# Altium PCB wifi-module.PcbDoc (part 2 of 2) (continued)
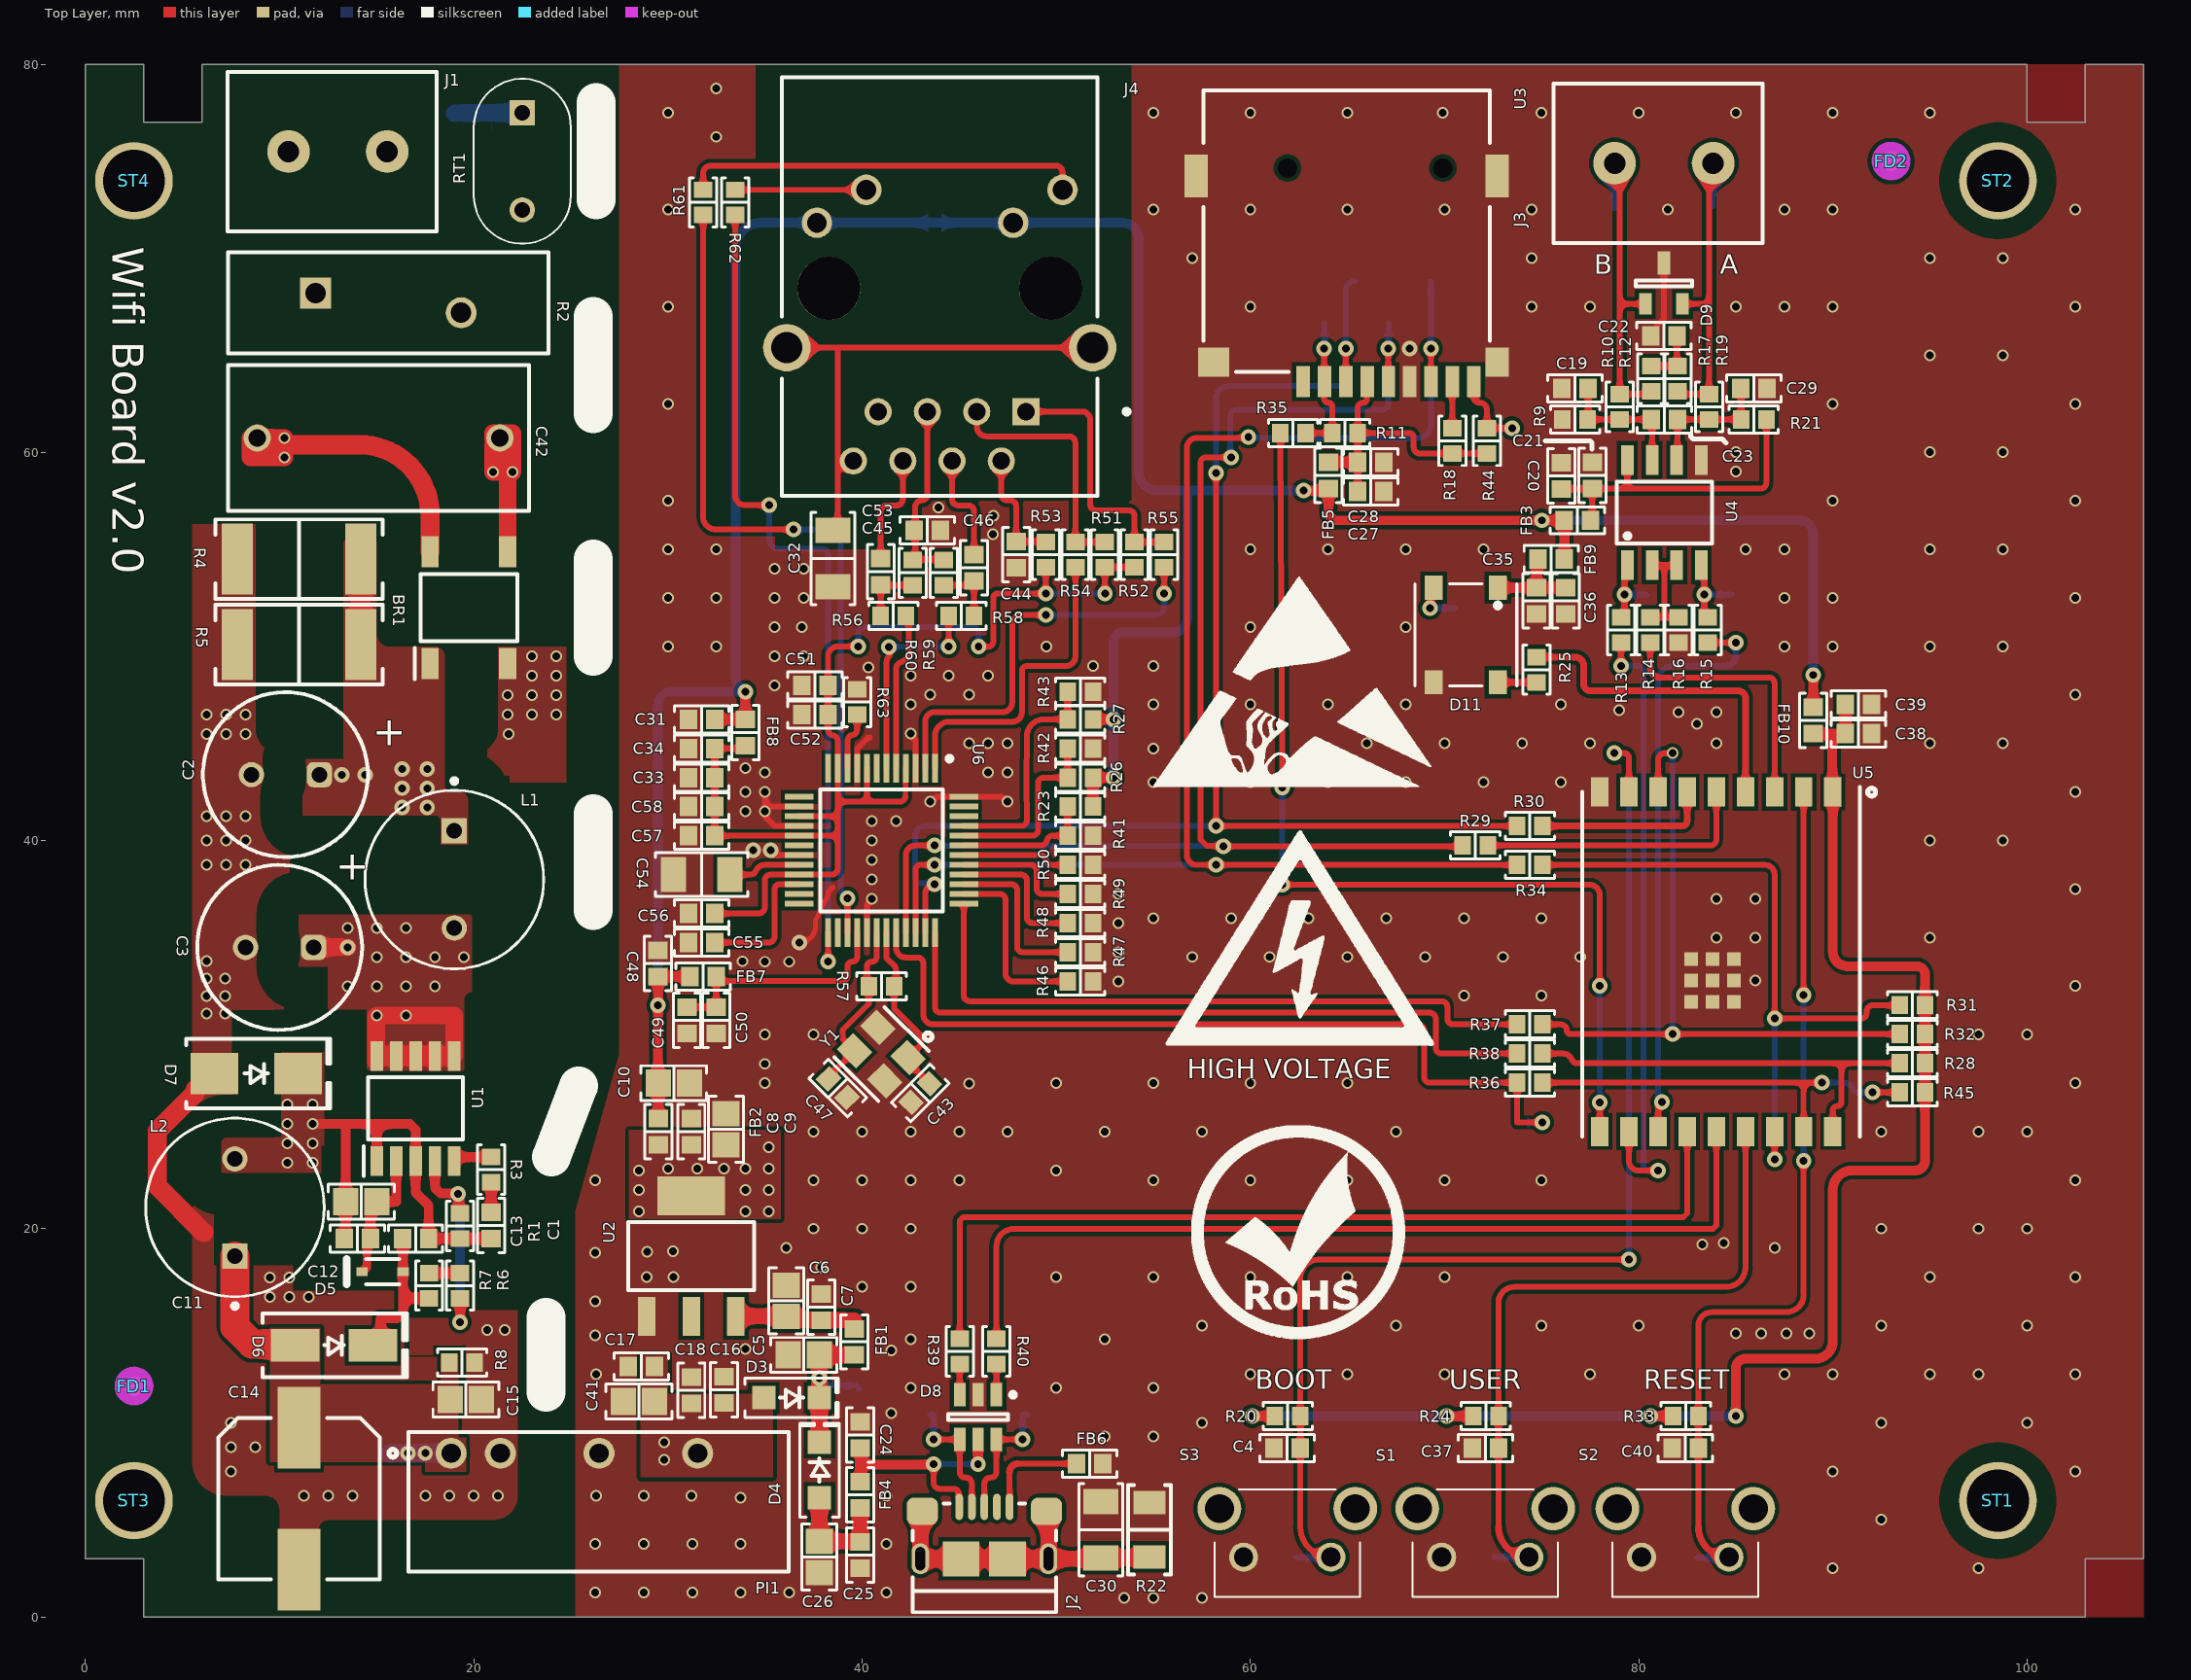
[diagram p0: Top Layer view]
## Nets (pads, with @x,y where several pads share a name; then routed paths per layer and width w, separated by ;. In a path a pad name is that pad's centre, name@x,y a point inside that pad or via, vN(x,y) a via of type N, cw(c..) or ccw(c..) an arc to the next point about the centre after c; other vN are vias at no path point) (continued)
  Top Layer w0.3: R62.2@33.465,72.23 33.465,57.78 ccw(c33.965,57.78) 33.965,57.28 v2(35.215,57.28) ; v2(38.25,33.78) U6.25@38.25,35.262
  Bottom Layer w0.3: v2(35.215,57.28) 35.215,55.53 ccw(c35.715,55.53) 35.715,55.03 37.97,55.03 cw(c37.97,54.75) 38.25,54.75 v2(38.25,33.78)
ETH_PMODE0: R27.1 R43.2 U6.45 | length 11.8
  Top Layer w0.3: U6.45@45.238,40.75 48.188,40.75 ccw(c48.188,41.05) 48.488,41.054 48.464,42.942 cw(c49.364,42.95) 48.464,42.959 48.492,45.446 cw(c48.792,45.443) 48.494,45.477 48.494,45.478 cw(c49.36,45.378) 49.36,46.25 R27.1@50.588,46.25 R43.2@50.588,47.665
ETH_PMODE1: R26.1 R42.2 U6.44 | length 9.6
  Top Layer w0.3: U6.44@45.238,40.25 48.764,40.25 ccw(c48.764,40.55) 49.064,40.55 49.064,42.95 cw(c49.364,42.95) 49.364,43.25 R26.1@50.588,43.25 R42.2@50.588,44.75
ETH_PMODE2: R23.1 R41.2 U6.43 | length 7.1
  Top Layer w0.3: U6.43@45.238,39.75 49.216,39.75 ccw(c49.216,40.05) 49.5,39.953 49.532,40.047 cw(c49.816,39.95) 49.816,40.25 R41.2@50.588,40.25 R23.1@50.588,41.75
ETH_RSVD2: R46.1 U6.38 | length 9.5
  Top Layer w0.3: U6.38@45.238,37.25 47.088,37.25 cw(c47.088,36.95) 47.388,36.95 47.388,33.15 ccw(c47.788,33.15) 47.788,32.75 R46.1@50.588,32.75
ETH_RSVD3: R47.1 U6.39 | length 8.6
  Top Layer w0.3: U6.39@45.238,37.75 47.688,37.75 cw(c47.688,37.45) 47.988,37.45 47.988,34.55 ccw(c48.288,34.55) 48.288,34.25 R47.1@50.588,34.25
ETH_RSVD4: R48.1 U6.40 | length 7.6
  Top Layer w0.3: U6.40@45.238,38.25 48.188,38.25 cw(c48.188,37.95) 48.488,37.95 48.488,36.05 ccw(c48.788,36.05) 48.788,35.75 R48.1@50.588,35.75
ETH_RSVD5: R49.1 U6.41 | length 6.6
  Top Layer w0.3: U6.41@45.238,38.75 48.688,38.75 cw(c48.688,38.45) 48.988,38.45 48.988,37.55 ccw(c49.288,37.55) 49.288,37.25 R49.1@50.588,37.25
ETH_RSVD6: R50.1 U6.42 | length 5.6
  Top Layer w0.3: U6.42@45.238,39.25 49.188,39.25 cw(c49.188,38.95) 49.473,39.044 49.502,38.956 ccw(c49.787,39.05) 49.786,38.75 R50.1@50.588,38.75
ETH_RXN: R56.1 U6.5 | length 8.2
  Top Layer w0.3: U6.5@41.75,43.738 41.75,48.85 cw(c42.11,48.85) 41.996,49.191 41.998,49.192 ccw(c41.781,49.843) 42.339,49.444 ; R56.1@42.265,51.588 42.405,51.263 42.405,49.651 42.389,49.565 cw(c42.094,49.617) 42.34,49.445
ETH_RXN_2: C45.1 R56.2 R60.2 | length 3.3
  Top Layer w0.3: R56.2@40.965,51.588 C45.1@40.965,53.188 41.003,53.15 R60.2@42.6,53.15
ETH_RXP: R58.1 U6.6 | length 11.3
  Top Layer w0.3: U6.6@41.25,43.738 41.25,44.325 41.25,49.023 41.25,49.136 cw(c41.81,49.138) 41.382,49.499 ccw(c41.153,49.692) v2@41.452,49.713 ; v2@41.44,49.78 cw(c41.153,49.692) v2@41.452,49.713 ; v2@41.44,49.781 41.378,49.842 v2(41.378,49.98) 41.452,49.906 v2@41.452,49.713 ; v2(44.465,50) R58.1@44.465,51.588
  Bottom Layer w0.3: v2(41.378,49.98) v2(44.465,50)
ETH_RXP_2: C46.1 R58.2 R59.2 | length 3.5
  Top Layer w0.3: R59.2@44.2,53.15 45.531,53.15 C46.1@45.765,53.384 R58.2@45.765,51.588
ETH_TOCAP: C54.2 U6.20 | length 3.8
  Top Layer w0.3: C54.2@33.188,38.25 34.248,38.25 ccw(c34.247,38.55) 34.525,38.437 cw(c34.988,38.25) 34.988,38.75 U6.20@36.762,38.75
ETH_TXN: R54.1 U6.1 | length 16.7
  Top Layer w0.3: U6.1@43.75,43.738 43.75,45.39 cw(c44.48,45.39) 44.48,46.12 47.73,46.12 ccw(c47.73,46.62) 48.23,46.62 48.23,48.73 cw(c48.5,48.73) 48.5,49 50.5,49 ccw(c50.5,49.485) 50.985,49.485 R54.1@50.985,54.084
ETH_TXN_2: J4.3 R51.1 R54.2 | length 13
  Top Layer w0.3: J4.3@45.905,62.1 45.905,61.338 ccw(c46.413,61.338) 46.413,60.83 50.673,60.83 cw(c50.672,60.53) 50.955,60.629 cw(c50.448,60.452) 50.985,60.452 R54.2@50.985,55.384 R51.1@52.509,55.384
ETH_TXP: R55.1 U6.2 | length 21.9
  Top Layer w0.25: 47.73,51.23 cw(c48.12,51.23) 48.12,51.62
  Top Layer w0.3: U6.2@43.25,43.738 43.25,46.14 cw(c43.73,46.14) 43.73,46.62 47.226,46.62 ccw(c47.226,47.124) 47.73,47.124 47.73,51.23 ; 48.12,51.62 v2(49.461,51.62) ; v2(55.557,52.73) R55.1@55.557,54.084
  Bottom Layer w0.3: v2(49.461,51.62) 55.12,51.62 ccw(c55.12,52.057) 55.557,52.057 v2(55.557,52.73)
ETH_TXP_2: J4.1 R52.1 R55.2 | length 13.4
  Top Layer w0.3: J4.1@48.445,62.1 51.369,62.1 cw(c51.369,61.8) 51.58,62.013 51.66,61.933 cw(c51.447,61.722) 51.747,61.722 51.747,57.32 ccw(c52.047,57.32) 52.047,57.02 53.733,57.02 cw(c53.733,56.72) 54.033,56.72 R52.1@54.033,55.384 R55.2@55.557,55.384
ETH_VDD: C49.2 C50.2 FB7.2 U6.28 | length 12.7
  Top Layer w0.3: C49.2@30.988,31.425 C50.2@32.488,31.425 FB7.2@32.488,33 ccw(c32.726,33) 32.726,32.762 38.25,32.762 39,32.762 ccw(c39,33.012) 39.25,33.012 39.25,33.512 cw(c39.5,33.512) 39.5,33.762 ccw(c39.5,34.012) 39.75,34.012 U6.28@39.75,35.262
ETH_XI: C47.2 R57.1 U6.30 Y1.3 | length 9.2
  Top Layer w0.3: C47.2@38.273,27.727 38.273,27.828 Y1.3@39.621,29.177 39,29.798 39,30.25 40.35,31.6 R57.1@40.35,32.5 ; R57.1@40.25,32.512 40.25,33.512 cw(c40.5,33.512) 40.5,33.762 ccw(c40.5,34.012) 40.75,34.012 ; 40.75,34.012 U6.30@40.75,35.262
ETH_XO: C43.2 R57.2 U6.31 Y1.1 | length 9.3
  Top Layer w0.3: U6.31@41.25,35.262 41.25,34.022 41.25,33.956 41.426,33.78 41.563,33.67 cw(c41.25,33.28) 41.75,33.28 R57.2@41.75,32.5 ; R57.2@41.65,32.5 41.65,32.262 41.65,31.35 43,30 43,29.444 Y1.1@42.379,28.823 42.379,28.576 C43.2@43.477,27.477
GND: C4.1 C5.1 C6.1 C7.1 C8.1 C9.1 C10.1 C16.1 C17.1 C18.1 C19.2 C20.1 C21.1 C22.1 C24.1 C25.1 C26.1 C27.1 C28.1 C29.1 C30.1 C31.1 C32.1 C33.1 C34.1 C35.1 C36.1 C37.1 C38.1 C39.1 C40.1 C41.1 C43.1 C44.1 C47.1 C48.1 C49.1 C50.1 C51.1 C52.1 C53.1 C54.1 C55.1 C56.1 C57.1 C58.1 D8.2 D9.3 D11.3 FB6.2 PI1.4 R9.2 R16.2 R22.1 R41.1 R42.1 R43.1 R46.2 R47.2 R48.2 R49.2 R50.2 R63.1 S1.1 S2.1 S3.1 TP15.1 TP16.1 U2.1 U3.6 U3.G1 U3.G2 U3.G3 U3.G4 U4.5 U5.9 U5.19 U6.3 U6.9 U6.14 U6.16 U6.19 U6.29 U6.48 Y1.2 Y1.4 | length 24.4
  Top Layer w0.25: v2(36.762,34.75) ccw(c36.762,35.588) 37.6,35.588 37.6,35.843 cw(c37.85,35.843) 37.625,35.951 38.25,37.25 38.25,37.35 38.5,37.6
  Top Layer w0.3: v1(35,42.51) 35,42.01 ; v2(35.3,39.5) 35.346,39.5 35.596,39.25 U6.19@36.762,39.25 ; U6.16@36.762,40.75 35.5,40.75 35,41.25 35,42.01 ; U6.14@36.762,41.75 35.26,41.75 35,42.01 ; U6.9@39.75,43.738 39.75,44.76 40.177,45.187 ; U6.29@40.25,35.262 40.25,36.684 40.5,36.934 v1(40.5,37.01) ; v1(42.5,45.51) 42.5,45.434 42.75,45.184 U6.3@42.75,43.738 ; v1(43.5,42.01) 43.581,42.01 43.821,42.25 U6.48@45.238,42.25 47.179,42.25 47.419,42.01 v1(47.5,42.01) ; C22.1@80.625,66 80.925,66.3 80.925,66.525 81.3,66.9 D9.3@81.3,69.75 ; 40.177,45.187 cw(c40.388,44.974) 40.262,45.246 40.4,45.31 40.3,45.31 40.177,45.187
  other v1: 53.5,1 55,1 57.5,1 26.25,1.26 28.75,1.26 31.25,1.26 33.75,1.26 36.25,1.26 41.25,1.26 90,2.51 97.5,2.51 26.25,3.76 28.75,3.76 31.25,3.76 33.75,3.76 41.25,3.76 92.5,5.01 33.75,6.14 26.3,6.26 28.75,6.26 31.2,6.26 41.25,6.26 90,7.51 102.5,7.51 52.5,9.31 55,9.31 57.5,10.01 92.5,10.01 100,10.01 41.5,10.51 42.5,11.81 50,11.81 55,11.81 26.3,12.51 60,12.51 65,12.51 70,12.51 77.5,12.51 87.5,12.51 90,12.51 95,12.51 97.5,12.51 102.5,12.51 41.5,13.741 34,13.8 42.5,14.31 52.5,14.31 26.256,14.506 85,14.61 86.3,14.61 87.6,14.61 88.8,14.61 57.5,15.01 67.5,15.01 75,15.01 80,15.01 92.5,15.01 100,15.01 26.25,16.26 40,17.01 42.5,17.01 28.9,17.51 30.286,17.518 50,17.51 55,17.51 60,17.51 65,17.51 70,17.51 95,17.51 102.5,17.51 37.9,18.01 26.25,18.76 28.923,18.822 30.259,18.846 36.1,19.01 87,19.01 83.271,19.202 84.383,19.272 37.5,20.01 40,20.01 42.5,20.01 92.5,20.01 97.5,20.01 100,20.01 26.25,22.51 37.5,22.51 40,22.51 42.5,22.51 45,22.51 55,22.51 60,22.51 65,22.51 70,22.51 75,22.51 102.5,22.51 50,23 37.5,25.01 40,25.01 42.5,25.01 45,25.01 47.5,25.01 52.5,25.01 57.5,25.01 62.5,25.01 67.5,25.01 92.5,25.01 97.5,25.01 100,25.01 45.5,27.477 35,27.51 50,27.51 55,27.51 60,27.51 65,27.51 102.5,27.51 35,28.5 35,30.01 37.5,30.01 97.5,30.01 100,30.01 71,32.01 75,32.01 102.5,32.51 86,32.8 35,33.76 36.25,33.76 33.839,33.784 57,34.01 61,34.01 65,34.01 69,34.01 73,34.01 77,34.01 84,35.01 86,35.01 95,35.01 55,36.01 59,36.01 63,36.01 67,36.01 71,36.01 75,36.01 84,37.01 86,37.01 102.5,37.51 40.5,38.01 40.5,39.01 40.5,40.01 95,40.01 98.75,40.01 40.5,41.01 41.75,41.01 33.988,41.51 35,41.51 33.988,42.51 102.5,42.51 55,43.01 60,43.01 64,43.01 68,43.01 72,43.01 76,43.01 35,43.51 46.5,43.51 47.5,43.51 33.988,43.738 55,44.75 45.5,45.01 46.5,45.01 47.5,45.01 66,45.01 70,45.01 74,45.01 77.5,45.01 84,45.01 95,45.01 98.75,45.01 83,46.01 82.06,46.61 84,46.61 79,46.71 42.5,47.01 55,47.01 60,47.01 64,47.01 68,47.01 76,47.01 43.5,47.51 45.5,47.51 102.5,47.51 35.5,47.988 42.5,48.51 44.465,48.51 46.5,48.51 40.331,48.913 51.9,49 55,49 35.5,49.51 37,49.51 30,50.01 32.5,50.01 49.5,50.01 87.5,50.01 90,50.01 95,50.01 98.75,50.01 35.5,51.01 36.9,51.01 60,51.01 64,51.01 68,51.01 30,52.51 32.5,52.51 35.5,52.51 37,52.51 87.5,52.51 90,52.51 102.5,52.51 35.5,54.01 37,54.01 30,55.01 32.5,55.01 60,55.01 64,55.01 68,55.01 72,55.01 85.5,55.01 87.5,55.01 95,55.01 98.75,55.01 46.749,55.775 46.768,56.737 43.934,57.154 30,57.51 90,57.51 102.5,57.51 85,59.01 85,60.01 95,60.01 98.75,60.01 30,62.51 90,62.51 102.5,62.51 95,65.01 98.75,65.01 30,67.51 60,67.51 74.5,67.51 77.5,67.51 85,67.51 87.5,67.51 90,67.51 102.5,67.51 57,70.01 74.5,70.01 95,70.01 98.75,70.01 30,72.51 55,72.51 60,72.51 65,72.51 70,72.51 74.5,72.51 81.5,72.51 87.5,72.51 90,72.51 102.5,72.51 32.5,76.26 30,77.51 55,77.51 60,77.51 65,77.51 69.912,77.51 75,77.51 80,77.51 85,77.51 90,77.51 95,77.51 32.5,78.76
  other v2: 34.4,39.5 68.212,65.35
  other v3: 53.2,32.75 53.2,34.25 53.2,35.75 53.2,37.25
GND_CH: C32.2 J4.8 J4.13 J4.14 | length 26.6
  Top Layer w0.3: J4.14@36.125,65.4 38.7,65.4 ; C32.2@38.5,55.988 38.742,56.23 38.742,58.747 ; J4.8@39.555,59.56 ccw(c39.555,58.747) 38.742,58.751 ; J4.13@51.875,65.4 38.7,65.4 ; 38.7,65.4 38.742,65.358 38.742,58.751 ; 38.742,58.747 cw(c39.555,58.747) 38.742,58.751 ; 38.742,58.747 38.742,58.751
GND_HV: BR1.2 C2.2 C3.2 C14.2 C15.1 D7.1 PI1.2 R4.1 R5.1 R8.1 TP24.1 TP25.1 | length 10.5
  Top Layer w1: 6.085,19.815 3.7,22.2 3.7,25.05 5.675,27.025 5.675,27.175 6.5,28 D7.1@6.65,28
  other v1: 11.25,6.25 12.5,6.25 13.75,6.25 17.5,6.25 18.75,6.25 20,6.25 21.25,6.25 7.5,7.51 7.5,8.75 8.75,8.75 7.5,10.01 20.7,14.8 21.6,14.8 9.5,16.5 10.5,16.5 11.5,16.5 9.5,17.5 10.5,17.5 6.25,31.1 7.2,31.1 6.25,32 7.2,32 6.25,32.9 7.2,32.9 6.25,33.8 6.25,38.75 7.25,38.75 8.25,38.75 6.25,40 7.25,40 8.25,40 6.25,41.25 7.25,41.25 8.25,41.25 6.25,45.5 7.25,45.5 8.25,45.5 21.8,45.5 6.25,46.5 7.25,46.5 8.25,46.5 21.75,46.5 23,46.5 24.25,46.5 21.75,47.5 23,47.5 24.25,47.5 23,48.5 24.25,48.5 23,49.5 24.25,49.5
LED_ACT: J4.9 R61.1 | length 20.7
  Top Layer w0.3: R61.1@31.815,73.53 31.815,74.38 cw(c32.215,74.38) 32.215,74.78 49.965,74.78 cw(c49.965,74.42) 50.325,74.42 J4.9@50.325,73.53
LED_LINK: J4.11 R62.1 | length 6.7
  Top Layer w0.3: R62.1@33.465,73.53 J4.11@40.215,73.53
NetBR1_4: BR1.4 C42.2 J1.2 R2.1 TP23.1 | length 19.9
  Top Layer w0.9: 8.85,59.75 8.5,59.75 8.5,60.75 C42.2@8.85,60.75 C42.2@8.85,60.4 ; 8.85,59.75 v1(10.25,59.75) ; 8.85,59.75 C42.2@8.85,60.4 ; C42.2@8.85,60.4 cw(c9.2,60.4) 9.2,60.75 v1(10.25,60.75) 10.25,60.4 v1(10.25,59.75) ; C42.2@8.85,60.4 9.6,60.4 cw(c9.6,59.75) v1(10.25,59.75)
  Top Layer w1: 10.25,60.4 14.1,60.4 cw(c14.1,56.75) 17.75,56.75 BR1.4@17.75,54.875
NetC1_1: C1.1 R3.2 | length 1.6
  Top Layer w0.5: C1.1@20.9,20.85 R3.2@20.9,22.4
NetC22_2: C22.2 R12.1 R17.2 | length 2.9
  Top Layer w0.3: R12.1@80.65,64.45 R17.2@81.975,64.45 ; C22.2@81.975,66 R17.2@81.975,64.45 ; R17.2@81.975,64.45 R17.2@82,64.45 R17.2@81.975,64.45
NetC30_2: C30.2 J2.S R22.2 | length 17
  Top Layer w0.8: J2.S@43.1,5.45 43,5.45 J2.S@43,3 J2.S@45.1,3 J2.S@47.5,3 J2.S@49.6,3 ; J2.S@49.5,5.45 49.6,5.45 J2.S@49.6,3 ; R22.2@54.8,3.1 54.8,3.05 C30.2@52.3,3.05 52.3,3 J2.S@49.6,3
NetC44_2: C44.2 J4.2 R53.1 | length 6.2
  Top Layer w0.3: J4.2@47.175,59.56 47.175,57.828 ccw(c47.475,57.828) 47.475,57.528 47.637,57.528 cw(c47.637,57.228) 47.937,57.228 C44.2@47.937,55.409 49.461,55.409 R53.1@49.461,55.384
NetC45_2: C45.2 J4.6 | length 5.9
  Top Layer w0.3: C45.2@40.965,54.538 40.965,56.974 cw(c41.265,56.974) 41.265,57.274 41.795,57.274 ccw(c41.795,57.574) 42.095,57.574 J4.6@42.095,59.56
NetC46_2: C46.2 J4.4 | length 5.7
  Top Layer w0.3: J4.4@44.635,59.56 44.635,57.574 ccw(c44.935,57.574) 44.935,57.274 45.465,57.274 cw(c45.465,56.974) 45.765,56.974 C46.2@45.765,54.734
NetC53_2: C53.2 J4.5 R59.1 R60.1 | length 11.2
  Top Layer w0.3: R60.1@42.6,54.45 42.74,54.59 C53.2@42.74,55.638 ; R60.1@42.752,54.488 44.162,54.488 R59.1@44.2,54.45 ; J4.5@43.365,62.1 43.365,57.828 cw(c43.065,57.828) 43.065,57.528 ccw(c43.065,57.203) 42.74,57.203 42.74,55.988 C53.2@42.74,55.638 ; C53.2@42.69,55.688 C53.2@42.69,55.988 ; C53.2@42.69,55.688 C53.2@42.69,55.988 ; C53.2@42.69,55.688 C53.2@42.69,55.988 ; C53.2@42.69,55.688 C53.2@42.74,55.638 ; C53.2@42.69,55.688 C53.2@42.69,55.988 ; C53.2@42.69,55.988 C53.2@42.74,55.638
NetD11_2: D11.2 TP28.1 | length 2.5
  Top Layer w0.3: v2(69.246,51.984) ccw(c69.246,52.038) 69.3,52.038 D11.2@69.3,53.145
  Bottom Layer w0.3: v2(69.246,51.984) TP28.1@70.546,51.984
NetD11_4: D11.4 R25.1 | length 2
  Top Layer w0.35: D11.4@72.746,48.159 R25.1@74.746,48.159
NetFB6_1: FB6.1 J2.5 | length 5.5
  Top Layer w0.3: J2.5@47.6,5.675 47.6,7.473 ; 48.027,7.9 FB6.1@51.05,7.9
  Top Layer w0.35: 47.6,7.473 cw(c48.027,7.473) 48.027,7.9
NetJ1_1: J1.1 RT1.1 TP1.1 | length 3.5
  Bottom Layer w0.9: J1.1@15.54,75.5 J1.1@15.54,75.56 ; TP1.1@19.024,77.484 20.7,77.5 RT1.1@22.5,77.5
NetR3_1: R3.1 U1.5 | length 2.1
  Top Layer w0.5: U1.5@19,23.488 19,23.7 R3.1@20.9,23.7
NetR6_1: R6.1 R7.2 | length 1.6
  Top Layer w0.5: R7.2@17.7,17.725 R6.1@19.3,17.725
NetR44_2: R44.2 TP26.1 U3.CD1 | length 5.7
  Top Layer w0.3: U3.CD1@71.5,64 71.512,63.35 71.512,62.862 ccw(c71.812,62.862) 71.812,62.562 cw(c71.812,62.185) 72.189,62.185 R44.2@72.189,61.25 v2(73.475,61.25)
  Bottom Layer w0.3: TP26.1@72.197,61.25 TP26.1@72.213,61.234 ; TP26.1@72.213,61.25 v2(73.475,61.25)
NI_5V: C14.1 C15.2 D6.1 L2.1 PI1.1 R8.2 TP21.1 | length 10.3
  Top Layer w1.5: L2.1@7.7,18.6 7.7,14.939 8.579,14.061 10.739,14.061 D6.1@10.8,14
  Bottom Layer w1: TP21.1@15.704,8.424 15.72,8.44 PI1.1@18.831,8.44
  other v2: 16.6,8.44 17.5,8.44
PR_USB_D_N: D8.3 R39.2 | length 1.6
  Top Layer w0.3: D8.3@45.025,11.45 R39.2@45.025,13.041
PR_USB_D_P: D8.1 R40.2 | length 1.6
  Top Layer w0.3: R40.2@46.92,13.041 46.92,11.45 D8.1@46.925,11.45
RS485_A: D9.2 J3.1 R17.1 R19.2 TP7.1 | length 17.5
  Top Layer w0.3: R17.1@82,63.15 82,63 R19.2@83.625,63 83.625,67.65 ; D9.2@82.26,67.65 83.625,67.65 ; J3.1@83.84,74.9 83.625,74.9 83.625,67.65
  Bottom Layer w0.3: TP7.1@83.814,72.684 83.814,74.9 J3.1@83.84,74.9
RS485_A1: C23.1 C29.2 R19.1 R21.2 U4.6 | length 7
  Top Layer w0.3: U4.6@81.96,59.612 82,59.612 C23.1@82,61.7 R19.1@83.625,61.7 R21.2@85.275,61.7 85.275,63.3 C29.2@85.25,63.3
RS485_B: D9.1 J3.2 R10.2 R12.2 TP6.1 | length 17.6
  Top Layer w0.3: J3.2@78.76,74.9 79.025,74.9 79.025,67.65 ; D9.1@80.34,67.65 79.025,67.65 ; R12.2@80.65,63.15 80.65,63 R10.2@79.025,63 79.025,67.65
  Bottom Layer w0.3: TP6.1@78.734,72.584 78.76,72.584 J3.2@78.76,74.9
RS485_B1: C19.1 C23.2 R9.1 R10.1 U4.7 | length 7
  Top Layer w0.3: R9.1@77.375,61.7 R9.1@77.4,61.7 ; C19.1@77.4,63.3 R9.1@77.4,61.7 ; U4.7@80.69,59.612 80.69,61.7 C23.2@80.65,61.7 R10.1@79.025,61.7 R9.1@77.4,61.7
SDCARD_DAT1: R18.2 U3.8 | length 2.7
  Top Layer w0.3: R18.2@70.4,61.25 U3.8@70.4,64
USB_D_N: D8.4 J2.2 TP4.1 | length 6.6
  Top Layer w0.3: v2(43.689,9.15) 44.959,9.15 D8.4@45.025,9.15 45.025,7.484 ccw(c45.325,7.484) 45.325,7.184 45.35,7.184 cw(c45.35,6.884) 45.65,6.884 J2.2@45.65,5.675
  Bottom Layer w0.3: TP4.1@43.499,10.42 43.689,10.42 v2(43.689,9.15)
USB_D_P: D8.6 J2.3 TP5.1 | length 6.7
  Top Layer w0.3: J2.3@46.3,5.675 46.3,6.884 cw(c46.6,6.884) 46.6,7.184 46.625,7.184 ccw(c46.625,7.484) 46.925,7.484 D8.6@46.925,9.15 v2(48.261,9.15)
  Bottom Layer w0.3: v2(48.261,9.15) 48.261,10.42 TP5.1@48.499,10.42
VIN_+5V: C6.2 C7.2 FB1.2 U2.3 | length 6.6
  Top Layer w0.8: U2.3@33.5,15.5 C6.2@36.1,15.5 36.4,15.311 37.8,15.311 C7.2@37.9,15.3 39.6,15.3 FB1.2@39.6,14.85
VIPER_FB: R1.1 R6.2 U1.4 | length 11.6
  Top Layer w0.5: U1.4@18,23.488 18,22.112 18.293,21.819 19.181,21.819 19.219,21.781 19.219,20.881 R1.1@19.3,20.8 ; v2(19.3,15.2) R6.2@19.3,16.425
  Bottom Layer w0.5: v2(19.2,21.8) 19.2,21.773 19.3,21.673 v2(19.3,15.2)
VIPER_RT1: C13.2 D5.1 D6.2 R7.1 | length 8.1
  Top Layer w0.4: C13.2@16.325,19.5 C13.2@16.355,19.5 ; 16.355,16.425 16.355,16.451
  Top Layer w0.5: D6.2@14.8,14 15.2,14.4 15.2,15.4 16.062,15.4 16.355,15.693 16.355,16.425 ; C13.2@16.355,19.5 D5.1@16.355,17.8 16.355,16.425 ; R7.1@17.7,16.425 16.355,16.425
VIPER_S: C1.2 C11.1 C12.1 C13.1 D7.2 L2.2 R1.2 U1.1 U1.3 | length 22.9
  Top Layer w0.5: v3(11.7,25.4) 13.458,25.4 ; C12.1@13.325,19.5 13.4,19.5 C11.1@13.4,21.4 13.4,25.342 13.458,25.4 ; U1.1@15,23 U1.1@15,23.488 15,25.4 ; C1.2@20.9,19.5 R1.2@19.3,19.5 C13.1@17.675,19.5 17.675,21.207 17,21.882 U1.3@17,23.488 17,25.107 16.707,25.4 15,25.4 ; 13.458,25.4 15,25.4
  other v3: 10.4,23.4 11.7,23.4 10.4,24.4 11.7,24.4 10.4,25.4 10.4,26.4 11.7,26.4
VIPER_VCC: C11.2 C12.2 D5.2 U1.2 | length 7.2
  Top Layer w0.4: D5.2@14.245,17.8 14.315,17.8 14.5,17.985 C12.2@14.5,19.325 ; C11.2@14.675,21.4 C11.2@15,21.4
  Top Layer w0.5: C12.2@14.5,19.325 C12.2@14.675,19.5 C11.2@14.675,21.4 ; C11.2@15,21.4 16,21.4 U1.2@16,23.488
pads on no net: FD1.0 FD2.0 J2.4 J4. J4.7 S1.3 S1.4 S2.3 S2.4 S3.3 S3.4 ST1.1 ST2.2 ST3.1 ST4.1 U3.1 U3.MH1 U3.MH2 U6.7 U6.12 U6.13 U6.18 U6.23 U6.24 U6.26 U6.46 U6.47

## Polygon pours and split planes (outlines as drawn)
GND on Bottom Layer "NONET_L01_P-001" (solid, remove dead copper, pour order 32): 27.5,29 27.5,80.01 106,80.01 106,0.01 25.25,0.01 25.25,20.905
GND_HV on Bottom Layer "NONET_L01_P-001" (solid, pour order 21): 7.25,6.25 9.25,6.25 cw(c9.25,5.5) 10,5.5 10,0.75 12,0.75 12,4.5 cw(c12.5,4.5) 12.5,5 21,5 ccw(c21,6.25) 22.25,6.25 22.25,24.114 24.298,29.058 24.75,30.149 24.75,49.65 ccw(c24.4,49.65) 24.4,50 21.25,50 21.25,47.25 cw(c21,47.25) 21,47 6,47 ccw(c6,46.5) 5.5,46.5 5.5,8 ccw(c7.25,8)
DC_L on Bottom Layer "NONET_L01_P-001" (solid, pour order 0): 18.3,39.8 18.3,41.053 ccw(c18.087,41.053) 18.087,41.266 11.25,41.266 11.25,44.2 19.7,44.2 19.7,42.851 19.7,39.8
DC_F on Bottom Layer "NONET_L01_P-001" (solid, pour order 1): 19.896,33.636 ccw(c19.581,33.767) 19.922,33.767 19.922,36.2 12.522,36.2 11,36.2 11,33.5 12.5,33.5 12.5,31.3 14.522,31.3 14.522,28.2 19.522,28.2 19.522,32.733 cw(c20.8,32.733)
VIPER_S on Bottom Layer "NONET_L01_P-001" (solid, pour order 7): 9.7,29.1 9.7,24.8 7,24.8 7,22.9 12.3,22.9 12.3,29.1
NetBR1_4 on Bottom Layer "NONET_L01_P-001" (solid, pour order 17): 10.25,61.25 10.5,61.25 cw(c10.5,61) 10.75,61 10.75,59.5 cw(c10.5,59.5) 10.5,59.25 10,59.25 8.25,59.25 cw(c8.25,59.5) 8,59.5 8,76.5 cw(c8.5,76.5) 8.5,77 11.5,77 cw(c11.5,76.5) 12,76.5 12,69.5 ccw(c12.5,69.5) 12.5,69 cw(c12.5,68.5) 13,68.5 13,67.5 cw(c12.5,67.5) 12.5,67 10.5,67 ccw(c10.5,66.5) 10,66.5 10,61.5 ccw(c10.25,61.5)
+3V3_FB on Bottom Layer "NONET_L01_P-001" (solid, pour order 26): 35.8,20.5 35.8,25.1 28,25.1 28,20.5
+5V on Bottom Layer "NONET_L01_P-001" (solid, pour order 23): 29,9.5 29,7.5 35,7.5 35,9.5
AC_L on Bottom Layer "NONET_L01_P-001" (solid, pour order 14): 23,67 ccw(c23,67.5) 23.5,67.5 23.5,73 ccw(c23,73) 23,73.5 22,73.5 ccw(c22,73) 21.5,73 21.5,68.5 cw(c21,68.5) 21,68 19,68 ccw(c19,67.5) 18.5,67.5 18.5,66 ccw(c19,66) 19,65.5 20,65.5 cw(c20,65) 20.5,65 20.5,58.75 ccw(c20.75,58.75) 20.75,58.5 22.25,58.5 ccw(c22.25,58.75) 22.5,58.75 22.5,66.5 cw(c23,66.5)
NetJ1_1 on Bottom Layer "NONET_L01_P-001" (solid, pour order 2): 16.6,78.5 21,78.5 23,78.5 cw(c23,78) 23.5,78 23.5,77 cw(c23,77) 23,76.5 17.5,76.5 ccw(c17.5,76) 17,76 17,75.5 cw(c15.5,75.5) 15.5,74 cw(c15.5,75.2) 14.3,75.2 14.3,76.2 cw(c16.6,76.2)
GND on Top Layer "NONET_L01_P-001" (solid, remove dead copper, pour order 29): 27.5,29 27.5,80 106,80 106,0 25.25,0 25.25,20.905
GND_HV on Top Layer "NONET_L01_P-001" (solid, remove dead copper, pour order 22): 22.25,15.8 20,15.8 20,43 24.75,43 24.75,50 21.25,50 21.25,45.75 cw(c20,45.75) 20,44.5 10,44.5 cw(c10,45.75) 8.75,45.75 8.75,56.3 5.5,56.3 5.5,8 ccw(c7.25,8) 7.25,6.25 9.25,6.25 cw(c9.25,5.5) 10,5.5 10,0.75 12,0.75 12,4.5 cw(c12.5,4.5) 12.5,5 21,5 ccw(c21,6.25) 22.25,6.25
VIPER_S on Top Layer "NONET_L01_P-001" (solid, pour order 20): 9.7,29.1 9.7,24.7 7,24.7 7,22.9 12.3,22.9 12.3,29.1
DC_F on Top Layer "NONET_L01_P-001" (solid, pour order 19): 19.9,32.2 19.9,36.2 11,36.2 11,33.5 12.5,33.5 12.5,31.3 14.5,31.3 14.5,28.3 ccw(c14.65,28.3) 14.65,28.15 19.45,28.15 ccw(c19.45,28.2) 19.5,28.2 19.5,31.8 cw(c19.9,31.8)
+3V3_FB on Top Layer "NONET_L01_P-001" (solid, pour order 25): 35.8,20.5 35.8,25.1 28,25.1 28,20.5
+5V on Top Layer "NONET_L01_P-001" (solid, pour order 10): 28.6,13.5 30,13.5 30,11.5 35.4,11.5 35.4,7.2 28.6,7.2
DC_L on Top Layer "NONET_L01_P-001" (solid, pour order 13): 11.2,41.3 18,41.3 cw(c18,41) 18.3,41 18.3,39.8 19.7,39.8 19.7,42.1 ccw(c19.3,42.1) 19.3,42.5 18.9,42.5 cw(c18.9,42.9) 18.5,42.9 18.5,49.5 ccw(c18,49.5) 18,50 15.625,50 cw(c15.625,50.625) 15,50.625 15,55.4 ccw(c14.9,55.4) 14.9,55.5 13.4,55.5 ccw(c13.4,55.4) 13.3,55.4 13.3,44.2 11.2,44.2
NI_5V on Top Layer "NONET_L01_P-001" (solid, remove dead copper, pour order 6): 9.5,14.9 12.1,14.9 12.1,12 18.3,12 18.3,13.6 19.2,13.6 19.2,9.25 19.6,9.25 19.6,7.5 17.496,7.5 17.496,8 9.5,8 9.5,13.9
no net on Top Solder "NONET_L01_P-001" (solid, pour order 27): 28,23.5 34.1,23.5 34.1,25.1 35.8,25.1 35.8,20.5 28,20.5
no net on Bottom Solder "NONET_L01_P-001" (solid, pour order 28): 35.8,20.5 35.8,25.1 28,25.1 28,20.5

## Other copper
Top Layer:
  pour cut-out: 10.501,39.5 21.9,39.5 21.9,37 10.503,37
  pour cut-out: 19.4,12.1 19.6,12.1 19.6,14 19.4,14
  pour cut-out: 17.904,14 17.904,13.5 19.4,13.5 19.4,14
  pour cut-out: 16.7,13.5 16.7,13.4 18.3,13.4 18.3,13.5
  pour cut-out: 16.7,15.693 18.841,15.693 18.841,15.399 16.7,15.399
  pour cut-out: 16.7,15.693 16.4,15.693 16.4,13.4 16.7,13.4
Bottom Layer:
  pour cut-out: 21.9,39.5 10.503,39.5 10.503,37 21.9,37
Multi-Layer:
  pour cut-out: 95.5,74 ccw(c98.5,74) 98.5,71 ccw(c98.5,74) 101.5,74 ccw(c98.5,74) 98.5,77 ccw(c98.5,74)
  pour cut-out: -0.5,74 ccw(c2.5,74) 2.5,71 ccw(c2.5,74) 5.5,74 ccw(c2.5,74) 2.5,77 ccw(c2.5,74)
  pour cut-out: -0.5,6 ccw(c2.5,6) 2.5,3 ccw(c2.5,6) 5.5,6 ccw(c2.5,6) 2.5,9 ccw(c2.5,6)
  pour cut-out: 95.5,6 ccw(c98.5,6) 98.5,3 ccw(c98.5,6) 101.5,6 ccw(c98.5,6) 98.5,9 ccw(c98.5,6)
  pour cut-out: 35.5,58 35.5,55 40.5,55 40.5,58
  pour cut-out: 34.5,65.5 34.5,57.5 53.894,57.5 53.894,80 34.5,80
  pour cut-out: 6.6,22.9 6.6,18.1 12.6,18.1 12.6,22.9

## Silkscreen, mask and mechanical layers (free items; w line width, h text height)
Top Overlay:
  drawing of 26 lines, arcs and shapes, not listed
  text "Wifi Board v2.0" at 1.4,70.61 h1.6 r270
  text "B" at 77.7,69.2 h1
  text "A" at 84.2,69.2 h1
  text "HIGH VOLTAGE" at 56.75,27.76 h1
  text "BOOT" at 60.25,11.75 h1
  text "USER" at 70.25,11.75 h1
  text "RESET" at 80.25,11.75 h1
Mechanical 31:
  lines w1: 5.64,-12.5 5.64,97 ; 87.65,-14.5 87.65,95

## Dimensions
2.5,74 to 98.5,74 on Bottom Courtyard
2.5,74 to 2.5,6 on Bottom Courtyard
0,80 to 0,3 on Bottom Courtyard
3,0 to 103,0 on Bottom Courtyard
6,80 to 100,80 on Bottom Courtyard
106,0 to 106,3 on Bottom Courtyard
103,-1 to 106,-1 on Bottom Courtyard
103,80 to 106,80 on Bottom Courtyard
106,80 to 106,77 on Bottom Courtyard
100,80 to 103,87 on Bottom Courtyard
3,80 to 3,77 on Bottom Courtyard
3,80 to 6,80 on Bottom Courtyard
3,-2 to 0,-2 on Bottom Courtyard
-1,0 to -1,3 on Bottom Courtyard

## Text inside footprints (layer, text, board x,y; h text height)
C2: Top Overlay "+" at 14.8,44.9 h1.5
C3: Top Overlay "+" at 12.901,38 h1.5